# Altium PCB ECE453_Custom.PcbDoc (part 2 of 2)
Units mil, origin at the board's own origin, x right, y up, seen from the top; angles counter-clockwise.
Board outline 5757 x 4807.69 mil, 4 copper layers (Top Layer, Layer 1, Layer 2, Bottom Layer), stack 23.756 mil thick; 95 components, 55 nets, 302 pads, 170 vias.
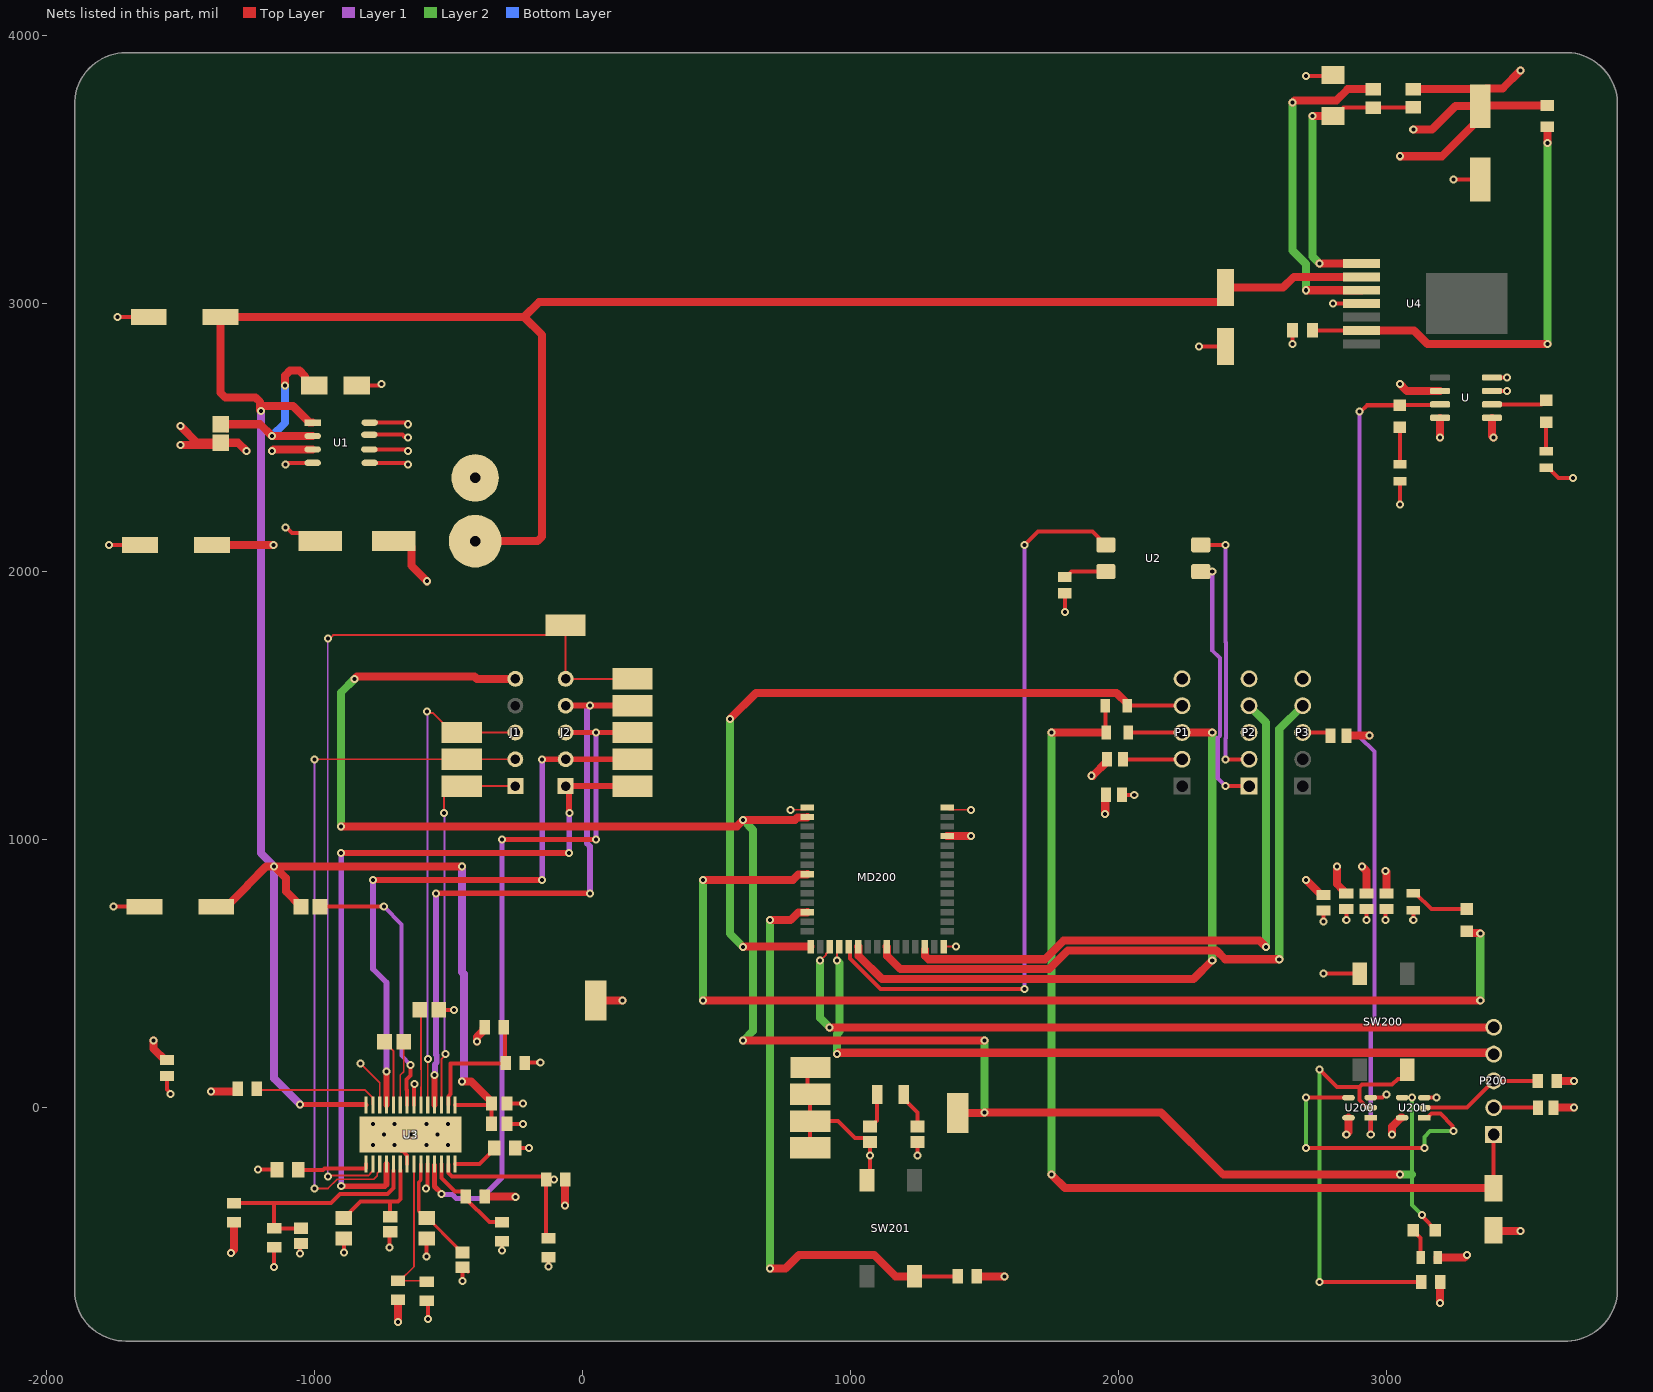
[diagram p4: the nets of this part, all layers, seen from the top]

## Part data (continued)
TP_AOUT1 TP_AOUT2 TP_BOUT1 TP_BOUT2 TP_DIR1 TP_GND1 TP_HOME1 TP_HOME2 TP_RST1 TP_STEP1 TP_VCC1: "PC Test Point, Miniature Phosphor Bronze, Silver Plating Surface Mount Mounting Type", Package="2010 Keystone", Digi-Key_Part_Number=36-5019CT-ND, Digi-Key_Purchase_URL=https://www.digikey.com/product-detail/en/keystone-electronics/5019/36-5019CT-ND/3907344?utm_source=snapeda&utm_medium=aggregator&utm_campaign=symbol, MF="Keystone Electronics", MP=5019, SnapEDA_Link=https://www.snapeda.com/parts/5019/Keystone%20Electronics/view-part/449144/?ref=snap
U: "Processor Supervisor 4.63V/2.88V 3.3V/5V 8-Pin SOIC N", Case/Package=SOIC, Manufacturer=Maxim, Max Operating Temperature=85°C, Max Reset Threshold Voltage=3.3V, Max Supply Current=50uA, Max Supply Voltage=5.5V, Min Operating Temperature=-40°C, Min Reset Threshold Voltage=2.5V, Min Supply Voltage=1.2V, Number of Voltages Monitored=2, Overvoltage Threshold=2.97V, Package="SOIC-8 Maxim", Package Quantity=100, Threshold Voltage=5V, Undervoltage Threshold=2.8V, Availability=Unavailable, Category="Voltage Supervisors", ComponentLink1Description=https://datasheet.ciiva.com/14180/07377369-14180038.pdf?src-supplier=Distrelec, ComponentLink1URL=https://datasheet.ciiva.com/14180/07377369-14180038.pdf?src-supplier=Distrelec, ComponentLink2Description=https://datasheet.ciiva.com/1974/ds1834-ds1834d-1974710.pdf?src-supplier=Digi-Key, ComponentLink2URL=https://datasheet.ciiva.com/1974/ds1834-ds1834d-1974710.pdf?src-supplier=Digi-Key, ComponentLink3Description=https://datasheet.ciiva.com/14206/ds1834-ds1834d-14206072.pdf?src-supplier=Avnet, ComponentLink3URL=https://datasheet.ciiva.com/14206/ds1834-ds1834d-14206072.pdf?src-supplier=Avnet, ComponentLink4Description=https://datasheet.ciiva.com/14562/70127780-14562733.pdf?src-supplier=Allied+Electronics, ComponentLink4URL=https://datasheet.ciiva.com/14562/70127780-14562733.pdf?src-supplier=Allied+Electronics, Height=1.5mm, Lead Free="Lead Free", Length=5mm, Manufacturer Part Number=DS1834S+, MF="Maxim Integrated", Mount="Surface Mount", MP=DS1834S+, Nominal Supply Current=50uA, Number of Pins=8, Operating Supply Current=50uA, Output=TOTEM-POLE, Packaging=Rail/Tube, Price=None, Pricing 1="1=2.97000, 10=2.67000, 25=2.52000, 50=2.35000, 100=2.18000, 250=2.07000, 500=1.86000 (USD)", Radiation Hardening=No, Reach SVHC Compliant=Unknown, Reset="Active Low", Reset Timeout=200ms, RoHS=Yes, RoHS Compliant=Yes, Series=EconoReset, SnapEDA_Link=https://www.snapeda.com/parts/DS1834S+/Maxim%20Integrated/view-part/1185071/?ref=snap, Stock 1=135, Supplier 1=Newark, Supplier 2=Digi-Key, Supplier 3=Digi-Key, Supplier Part Number 3=DS1834S+-ND, Supply Current=50uA, Type="Multi-Voltage Supervisor,Monitor", Watchdog Timer=No, Width=4mm
U1: "No Description Available", Mfr_Name="Diodes Inc", Copyright="Copyright (C) 2022 Ultra Librarian. All rights reserved.", Digi-Key_Part_Number_1=AP1509-33SGDICT-ND, Digi-Key_Part_Number_2=AP1509-33SGDIDKR-ND, Digi-Key_Part_Number_3=AP1509-33SGDITR-ND, Manufacturer_Part_Number=AP1509-33SG-13, RefDes=RefDes, Type=DEV
U2: "Relay Ssr 25MA 1.4V Dc-in 2A 40V Dc-out 4-PIN DIP T/r", Manufacturer=Toshiba, Package="SMD-4 Toshiba", Supplier Part Number 1=TLP241A(TP1FCT-ND, Availability=Bad, Category="Solid State Relays", Check_prices=https://www.snapeda.com/parts/TLP241A(TP1,F/Toshiba%20Semiconductor%20and%20Storage/view-part/1132983/?ref=eda, ComponentLink1Description=https://toshiba.semicon-storage.com/info/docget.jsp?did=14237&prodName=TLP241A&src-supplier=Digi-Key, ComponentLink1URL=https://toshiba.semicon-storage.com/info/docget.jsp?did=14237&prodName=TLP241A&src-supplier=Digi-Key, Manufacturer Part Number=TLP241A(TP1,F, MF="Toshiba Semiconductor", MP=TLP241A(TP1,F, Number of Pins=4, Price=None, Pricing 1="1=1.85000, 10=1.23200, 100=0.94800, 500=0.85696 (USD)", RoHS=Yes, RoHS Compliant=Yes, SnapEDA_Link=https://www.snapeda.com/parts/TLP241A(TP1,F/Toshiba%20Semiconductor%20and%20Storage/view-part/1132983/?ref=snap, Stock 1=11386, Supplier 1=Digi-Key
U3: "38-V, 1.9-A bipolar stepper motor driver with current regulation and 1/8 microstepping 28-HTSSOP -40 to 85", Package="HTSSOP-28 Texas Instruments", Availability=Good, Check_prices=https://www.snapeda.com/parts/DRV8811PWP/Texas%20Instruments/view-part/471965/?ref=eda, MF="Texas Instruments", MP=DRV8811PWP, Price=None, Purchase-URL=https://pricing.snapeda.com/search/part/DRV8811PWP/?ref=eda, SnapEDA_Link=https://www.snapeda.com/parts/DRV8811PWP/Texas%20Instruments/view-part/471965/?ref=snap
U4: library part CMP-0069-00312-2, "3A SIMPLE SWITCHER®, Step-Down Voltage Regulator with Adjustable Soft-Start and Current Limit, 7-pin TO-263 Thin, Pb-Free", Case/Package=TO-263, Frequency=500kHz, Manufacturer="National Semiconductor", Max Input Voltage=42V, Max Operating Temperature=125°C, Max Output Current=3A, Max Output Voltage=5V, Min Input Voltage=4.5V, Min Operating Temperature=-40°C, Min Supply Voltage=8V, Package Quantity=250, PackageTopMarking=NSUZXYTTE#*LM22673*TJ-5.0, PowerWise=N, Quiescent Current=3.4mA, Supplier Part Number 1=LM22673TJE-5.0/NOPBCT-ND, Category="Voltage Regulators - Switching", ComponentLink1Description="LM22673 Datasheet", ComponentLink1URL=http://www.national.com/ds/LM/LM22673.pdf, ComponentLink2Description="LM22673 Web Page", ComponentLink2URL=http://www.national.com/pf/LM/LM22673.html, ComponentLink3Description="TJ7A Package Page", ComponentLink3URL=http://www.national.com/packaging/folders/tj7a.html, ComponentLink4Description=https://datasheet.ciiva.com/7994/1808298-7994560.pdf?src-supplier=Element14, ComponentLink4URL=https://datasheet.ciiva.com/7994/1808298-7994560.pdf?src-supplier=Element14, ComponentLink5Description=https://datasheet.ciiva.com/25627/0900766b810fa302-25627441.pdf?src-supplier=RSComponents, ComponentLink5URL=https://datasheet.ciiva.com/25627/0900766b810fa302-25627441.pdf?src-supplier=RSComponents, ComponentLink6Description=https://datasheet.ciiva.com/6596/lm22673-6596911.pdf?src-supplier=Digi-Key, ComponentLink6URL=https://datasheet.ciiva.com/6596/lm22673-6596911.pdf?src-supplier=Digi-Key, ComponentLink7Description=https://datasheet.ciiva.com/6596/lm22673-6596909.pdf?src-supplier=Digi-Key, ComponentLink7URL=https://datasheet.ciiva.com/6596/lm22673-6596909.pdf?src-supplier=Digi-Key, ComponentLink8Description=https://datasheet.ciiva.com/3221/lm22673-3221549.pdf?src-supplier=Avnet, ComponentLink8URL=https://datasheet.ciiva.com/3221/lm22673-3221549.pdf?src-supplier=Avnet, CompType=Switcher, Contact Plating=Tin, DatasheetVersion=Nov-2008, Efficiency=90%, Height=2mm, Lead Free="Lead Free", Length=10.16mm, Manufacturer Part Number=LM22673TJE-5.0/NOPB, Max Supply Voltage=42V, Mount="Surface Mount", Nominal Output Voltage=5V, Number of Outputs=1, Number of Pins=7, Output Current=3A, Output Type=Fixed, Output Voltage=5V, PackageDescription="Thin TO-263, Molded, 9.85 x 10.16 x 2mm Body, 7 Lead, 1.27mm Pitch, Surface Mount", PackageReference=TJ7A, PackageVersion="revC, Jan-2008", Packaging="Tape and Reel", PinCount=7, Pricing 1="1=6.04000, 10=5.42100, 25=5.12520, 100=4.44200 (USD)", Radiation Hardening=No, Reach SVHC Compliant="No SVHC", RevisionNote="Component URLs added", RoHS=Y, RoHS Compliant=Yes, Series="SIMPLE SWITCHER®", Stock 1=248, Supplier 1=Digi-Key, Switching Frequency=500kHz, Synchronous Rectifier=No, Termination=SMD/SMT, Weight=0.01lb, Width=9.85mm
U200 U201: library part CMP-04903-000082-1, "IC GATE AND 1CH 2-INP SOT23-5", Manufacturer 1="Texas Instruments", Supplier Part Number 1=296-SN74AHC1G08DBV3CT-ND, Category="Logic Gates", ComponentLink1Description=http://www.ti.com/general/docs/suppproductinfo.tsp?distId=10&amp;gotoUrl=http%3A%2F%2Fwww.ti.com%2Flit%2Fgpn%2Fsn74ahc1g08&src-supplier=Digi-Key, ComponentLink1URL=http://www.ti.com/general/docs/suppproductinfo.tsp?distId=10&amp;gotoUrl=http%3A%2F%2Fwww.ti.com%2Flit%2Fgpn%2Fsn74ahc1g08&src-supplier=Digi-Key, Logic Function="AND GATE", Manufacturer Part Number 1=SN74AHC1G08DBV3, Pricing 1="1=0.53000, 10=0.42800, 25=0.39200, 100=0.29170, 250=0.26436, 500=0.21878, 1000=0.16409 (USD)", RoHS=Yes, RoHS Compliant=Yes, Stock 1=11940, Supplier 1=Digi-Key
Y200: library part CMP-2000-07587-2, "CRYSTAL 32.7680KHZ 6PF SMD", Case/Package=SMD/SMT, ESR (Equivalent Series Resistance)=55kR, Frequency=32.768kHz, Frequency Tolerance=20ppm, Load Capacitance=6pF, Manufacturer 1=Abracon, Manufacturer Part Number 1=ABS07-120-32.768KHZ-T, Max Operating Temperature=85°C, Min Operating Temperature=-40°C, Operating Frequency="32.768 kHz", Package Quantity=3000, Series Resistance=60kR, Supplier Part Number 1=535-11937-1-ND, Category=Crystals, ComponentLink1Description=https://datasheet.ciiva.com/6728/abs07-120-32-768khz-t-6728893.pdf?src-supplier=Digi-Key, ComponentLink1URL=https://datasheet.ciiva.com/6728/abs07-120-32-768khz-t-6728893.pdf?src-supplier=Digi-Key, ComponentLink2Description=https://datasheet.ciiva.com/12387/abs07-120-32-768khz-t-218607-12387629.pdf?src-supplier=Mouser, ComponentLink2URL=https://datasheet.ciiva.com/12387/abs07-120-32-768khz-t-218607-12387629.pdf?src-supplier=Mouser, ComponentLink3Description=https://datasheet.ciiva.com/15214/getdatasheetpartid-722402-15214953.pdf?src-supplier=Verical, ComponentLink3URL=https://datasheet.ciiva.com/15214/getdatasheetpartid-722402-15214953.pdf?src-supplier=Verical, Depth=1.5mm, Height=0.035inch, Lead Free="Lead Free", Length=3.2mm, Mount="Surface Mount", Number of Pins=2, Packaging="Tape and Reel", Pricing 1="1=1.20000, 10=1.15000, 50=1.12340, 100=0.96290, 500=0.93616, 1000=0.78905 (USD)", Radiation Hardening=No, REACH SVHC="No SVHC", RoHS=Yes, RoHS Compliant=Yes, Series=ABS07, Stock 1=273340, Supplier 1=Digi-Key, Termination=SMD/SMT, Tolerance=20ppm, Width=0.061inch

## Via types
v1: diameter 30, hole 15, Top Layer to Bottom Layer, 170 vias

## Nets (pads, with @x,y where several pads share a name; then routed paths per layer and width w, separated by ;. In a path a pad name is that pad's centre, name@x,y a point inside that pad or via, vN(x,y) a via of type N, cw(c..) or ccw(c..) an arc to the next point about the centre after c; other vN are vias at no path point)
3.3V: C10.2 C12.1 C13.1 C14.1 C15.1 C19.1 C200.1 C201.1 C202.1 C203.1 Co1.1 D200.1 L1.2 MD200.4 P1.5 R7.2 R13.2 R14.2 R15.2 R16.2 R17.2 R200.2 R201.2 R203.2 R204.2 TP_VCC1.1 U1.3 U3.10 U200.5 U201.5 U.6 U.8 | length 3734.1
  Top Layer w15: L1.2@-1358.53,2472.5 L1.2@-1350,2481.03 ; v1(-582.75,-301.03) -582.75,-296.97 -577.17,-291.39 U3.10@-577.17,-210.24 ; R14.2@-376.75,-312.56 -364.57,-324.75 R14.2@-364.57,-331.64 ; TP_VCC1.1@50,365.16 TP_VCC1.1@50,400 ; R204.2@3629.53,94.09 R204.2@3635.43,100
  Top Layer w30: v1(-1600,250) -1600,219.99 -1557.87,177.87 C15.1@-1550,177.87 ; v1(-1500,2472.5) L1.2@-1358.53,2472.5 ; v1(-1500,2543.58) -1437.45,2481.03 L1.2@-1350,2481.03 -1284.57,2481.03 v1(-1253.54,2450) ; v1(-1385.43,60.4) -1290.12,60.4 -1285.43,65.08 R16.2@-1285.43,70.63 ; Co1.1@-1382,2100 v1(-1152.79,2100) ; v1(-1311.4,-541.34) -1300,-529.94 R7.2@-1300,-426.77 ; v1(-1158.32,2450.5) -1152.79,2456.03 U1.3@-1006.3,2456.03 ; C10.2@-756.79,2091.38 -734.39,2113.78 C10.2@-704.19,2113.78 -659.9,2113.78 -637.5,2091.38 -637.5,2022.27 v1(-579.5,1964.27) ; v1(-688.41,-800) R15.2@-688.41,-716.67 ; v1(-393.57,246.21) -393.57,263.71 -368.86,288.43 -368.86,295.31 R17.2@-364.17,300 ; R14.2@-364.57,-331.64 -251.46,-331.64 v1(-250,-333.1) ; v1(-64.57,-364.57) R13.2@-64.57,-268.18 ; TP_VCC1.1@50,400 v1(150,400) ; MD200.4@1360.59,1013.78 v1(1450,1013.78) ; R203.2@1470.87,-629.13 v1(1575,-629.13) ; v1(1900,1238.5) 1904.28,1238.5 1957.91,1292.13 C14.1@1957.91,1300 C14.1@1956.18,1298.27 ; v1(1950,1096.12) 1950.75,1096.87 1950.75,1164.35 C12.1@1954.45,1168.05 C12.1@1956.18,1169.78 ; v1(2700,850) 2700.78,850 2756.75,794.03 C203.1@2764.62,794.03 ; v1(2814.63,900) 2814.63,835.37 2838.43,811.57 2838.43,803.7 2842.13,800 C201.1@2850,800 ; v1(2850.03,-100) 2858.64,-91.38 U200.5@2858.64,-37.4 ; C13.1@2850.03,1387.89 v1(2936.96,1387.86) ; v1(2908.79,900) 2925.38,883.4 C200.1@2925.38,800 C200.1@2933.26,800 ; v1(2995.94,883.4) 3000,879.35 C202.1@3000,800 ; v1(3021.33,-100) 3021.33,-70.52 3054.44,-37.4 U201.5@3058.64,-37.4 ; v1(3050,2700) 3075.83,2674.17 U.6@3200,2674.17 ; R200.2@3190.55,-567.66 R200.2@3190.55,-558.8 3291.2,-558.8 v1(3300,-550) ; v1(3200,-727.98) R201.2@3200,-650 ; v1(3200,2500) U.8@3200,2574.17 ; D200.1@3400,-457.48 3401.97,-459.45 v1(3500,-459.45) ; C19.1@3623.62,0 v1(3700,0) ; R204.2@3635.43,100 v1(3700,100)
3.3V_OUT: D1.1 L1.1 U1.2 | length 789.5
  Top Layer w15: L1.1@-1350,2550 L1.1@-1326.9,2526.9
  Top Layer w30: L1.1@-1350,2550 -1202.29,2550 v1(-1158.32,2506.03) U1.2@-1006.3,2506.03 ; v1(-1108.82,2694.26) -1108.82,2731.75 -1090.57,2750 -1055.74,2750 -1034.21,2728.47 -1034.21,2712.72 -1015.75,2694.26 D1.1@-1000,2694.26
  Bottom Layer w30: v1(-1158.32,2506.03) -1108.82,2555.53 v1(-1108.82,2694.26)
3V_PWR_GOOD: 2.2 U200.1 U.7 | length 3125.4
  Top Layer w15: v1(2900,2598.13) 2904.06,2598.13 2926.8,2620.87 2.2@3050,2620.87 3051.65,2622.52 3198.35,2622.52 U.7@3200,2624.17 U.7@3174.41,2624.17 ; v1(2941.36,-100) U200.1@2941.36,-37.4
  Layer 1 w15: v1(2900,2598.13) 2900,1383.1 2954.88,1328.22 2954.88,314.9 2941.36,301.38 v1(2941.36,-100)
5V: C18.2 L2.2 P2.5 P3.5 R23.1 U.1 | length 1510.9
  Top Layer w15: P2.5@2485.05,1602.39 P2.5@2487.44,1600
  Top Layer w30: v1(3050,3550) 3207.48,3550 3350,3692.52 C18.2@3350,3736.81 ; v1(3100,3650) 3170.39,3650 3257.2,3736.81 C18.2@3350,3736.81 ; L2.2@3100,3800 3327.6,3800 C18.2@3350,3777.6 ; U.1@3393.31,2574.17 3393.31,2506.69 v1(3400,2500) ; v1(3500,3869.58) 3433.92,3803.5 3372.4,3803.5 3350,3781.1 C18.2@3350,3777.6 ; R23.1@3600,3739.37 3352.56,3739.37 C18.2@3350,3736.81 ; C18.2@3350,3736.81 C18.2@3350,3777.6
12_VOLTS: C1.1 C3.1 C5.1 C6.1 C17.2 Cin1.1 J3.1 U1.1 U3.15 U3.28 U4.2 | length 11378.4
  Top Layer w15: U3.15@-474.8,10.24 -344.93,10.24 C3.1@-339.16,16 C1.1@-339.16,-60.24
  Top Layer w19: v1(-1052.95,11.62) -808.87,11.62 U3.28@-807.48,10.24
  Top Layer w30: C5.1@-1366,750 -1328.5,750 -1247,831.5 -1247,833 -1180,900 v1(-1150,900) ; v1(-1200,2600) -1202.29,2602.29 -1202.29,2632.43 -1219.86,2650 -1332.43,2650 -1350,2667.57 Cin1.1@-1350,2950 -217.57,2950 ; -1200,2617.57 -1080.16,2617.57 -1018.62,2556.03 U1.1@-1006.3,2556.03 ; C6.1@-1050,750 -1050,751.07 -1106.36,807.43 -1106.36,856.36 v1(-1150,900) ; v1(-450,97.42) -414.65,97.42 -339.16,21.94 C3.1@-339.16,16 ; v1(-450,900) v1(-1150,900) ; J3.1@-400,2113.78 -167.57,2113.78 -150,2131.35 -150,2882.43 -217.57,2950 ; U4.2@2906.3,3100 2654.33,3100 2614.57,3060.24 C17.2@2400,3060.24 2400,3022.83 2383.5,3006.34 -161.24,3006.34 -217.57,2950
  Layer 1 w30: v1(-1200,2600) -1200,950 v1(-1150,900) -1150,108.67 v1(-1052.95,11.62) ; v1(-450,97.42) -442.5,104.92 -442.5,498.71 -450,506.21 v1(-450,900)
AOUT1: J2.1 TP_AOUT1.1 U3.4 | length 2846.9
  Top Layer w20: v1(-899.78,-292.64) -737.33,-292.64 -730.62,-285.92
  Top Layer w22: v1(-900,950) v1(-50,950) ; U3.4@-730.71,-210.24 -730.62,-210.33 -730.62,-285.92 ; v1(-48.46,1100) -50,1101.53 -50,1187.43 J2.1@-62.56,1200 TP_AOUT1.1@187.44,1200
  Layer 1 w22: v1(-900,950) -899.89,949.89 -899.89,-292.53 v1(-899.78,-292.64) ; v1(-50,950) -49.23,950.77 -49.23,1099.23 v1(-48.46,1100)
AOUT2: J2.2 TP_AOUT2.1 U3.25 | length 2279.2
  Top Layer w22: v1(-781.14,850) v1(-150,850) ; U3.25@-730.71,10.24 v1(-730.71,134.8) ; v1(-150,1300) TP_AOUT2.1@187.44,1300
  Layer 1 w22: v1(-781.14,850) -781.14,517.62 -730.71,467.18 v1(-730.71,134.8) ; v1(-150,850) v1(-150,1300)
BOUT1: J2.3 TP_BOUT1.1 U3.11 | length 2644.9
  Top Layer w19: U3.11@-551.57,-213.25 -551.57,-293.57 -525.98,-319.16 v1(-525.98,-322.14) ; v1(-300,1000) v1(50,1000) ; J2.3@-62.56,1400 v1(50,1400) TP_BOUT1.1@187.44,1400
  Layer 1 w19: v1(-525.98,-322.14) -523.88,-324.24 -485.04,-324.24 -470.76,-338.52 -378.4,-338.52 -300,-260.13 v1(-300,1000) ; v1(50,1000) v1(50,1400)
BOUT2: J2.4 TP_BOUT2.1 U3.18 | length 2326.5
  Top Layer w22: U3.18@-551.57,10.24 v1(-551.57,121.96) ; v1(-545.52,800) v1(28,800) ; J2.4@-62.56,1500 v1(28,1500) TP_BOUT2.1@187.44,1500
  Layer 1 w22: v1(-551.57,121.96) -550.04,123.49 -550.04,161.9 -543.53,168.41 -543.53,195.75 -545.52,197.73 v1(-545.52,800) ; v1(28,800) 28,975.33 17,986.33 17,1486.84 28,1497.84 v1(28,1500)
DIR: J1.2 TP_DIR1.1 U3.3 | length 2652.4
  Top Layer w7: v1(-1000,-301.03) -949.23,-301.03 -915.34,-267.14 -779.02,-267.14 -765.48,-253.6 -765.48,-245.01 -756.3,-235.83 U3.3@-756.3,-210.24 ; v1(-1000,1300) TP_DIR1.1@-450,1300 J1.2@-250,1300
  Layer 1 w7: v1(-1000,-301.03) v1(-1000,1300)
FIRING_SIGNAL: MD200.25 U2.1 | length 2746
  Top Layer w15: MD200.25@993.7,600.83 998.21,596.32 998.21,557.35 1112.73,442.83 v1(1650,442.83) ; v1(1650,2100) 1700,2150 1902.83,2150 U2.1@1952.83,2100
  Layer 1 w15: v1(1650,442.83) v1(1650,2100)
FiringSig1: P2.1 U2.3 | length 958.4
  Top Layer w15: U2.3@2307.17,2000 v1(2350,2000) ; v1(2400,1200) P2.1@2487.44,1200
  Layer 1 w15: v1(2350,2000) 2350,1706.61 2379.5,1677.11 2379.5,1387.78 2370.5,1378.78 2370.5,1229.5 v1(2400,1200)
FiringSig2: P2.2 U2.4 | length 981.5
  Top Layer w15: U2.4@2307.17,2100 v1(2400,2100) ; v1(2400,1300) P2.2@2487.44,1300
  Layer 1 w15: v1(2400,1300) 2400,1377.17 2401.5,1378.67 2401.5,1735.12 2400,1736.62 v1(2400,2100)
GND: C1.2 C2.2 C3.2 C5.2 C7.2 C8.2 C9.2 C10.1 C12.2 C13.2 C14.2 C15.2 C17.1 C18.1 C19.2 C200.2 C201.2 C202.2 C203.2 C204.1 C205.1 Cin1.2 Co1.2 D1.2 D2.2 J3.2 MD200.1 MD200.15 MD200.43 P1.2 P2.3 P3.3 P200.2 R1.2 R8.1 R9.1 R10.1 R11.1 R12.1 R18.1 R19.1 R20.1 R21.1 R22.2 R24.1 R25.1 R202.1 SW200.3 SW201.3 TP201.1 TP202.1 TP203.1 TP_GND1.1 U1.4 U1.5 U1.6 U1.7 U1.8 U3.7 U3.21 U3.26 U3.29 U4.4 U200.3 U201.3 U.3 U.4 | length 5435.9
  Top Layer w7: v1(-828.41,165.12) -756.3,93 U3.26@-756.3,10.24 ; v1(777.19,1110.28) 778.48,1111.57 830.9,1111.57 MD200.43@839.41,1120.08 ; MD200.15@1348.43,600.83 v1(1394.7,600.83) ; MD200.1@1360.59,1120.08 1369.1,1111.57 1448.71,1111.57 v1(1450,1110.28)
  Top Layer w15: v1(-1766,2100) Co1.2@-1650,2100 ; v1(-1750.13,750) C5.2@-1634,750 ; v1(-1734,2950) Cin1.2@-1618,2950 ; C15.2@-1550,118.81 -1550,67.96 -1537.2,55.17 v1(-1537.2,51.11) ; v1(-1210.63,-230.66) -1139.7,-230.66 R9.1@-1139.37,-230.99 ; v1(-1150,-594.09) R8.1@-1150,-520.87 ; v1(-1107.83,2164.27) -1103.77,2164.27 -1083.18,2143.68 -1007.71,2143.68 C10.1@-977.81,2113.78 ; v1(-1107.83,2400) -1103.77,2400 -1097.74,2406.03 U1.4@-1006.3,2406.03 ; C2.2@-1055.94,-507.15 C2.2@-1050,-507.15 -1052.95,-510.1 v1(-1052.95,-544.43) ; v1(-890.03,-540.23) R12.1@-890.03,-488.39 ; D1.2@-842.52,2694.26 -759.8,2694.26 -754.06,2700 v1(-750,2700) ; U1.6@-795,2456.03 -660.09,2456.03 -654.06,2450 v1(-650,2450) ; U1.5@-793.7,2406.03 -660.09,2406.03 -654.06,2400 v1(-650,2400) ; U1.8@-793.7,2556.03 -660.09,2556.03 -654.06,2550 v1(-650,2550) ; U1.7@-787.03,2511.03 -671.29,2511.03 -663.12,2502.87 -652.87,2502.87 v1(-650,2500) ; v1(-720.56,-522.04) -720.56,-466.05 C9.2@-717.23,-462.72 ; U3.29@-701.14,-140 -697.08,-140 -674.96,-162.13 -669.73,-162.13 -653.94,-177.92 U3.7@-653.94,-210.24 ; U3.21@-628.35,10.24 -627.66,10.92 -627.66,87.34 v1(-626.98,88.02) ; R20.1@-581.14,-720.87 -576.53,-725.47 v1(-576.53,-788.91) ; v1(-581.14,-554.47) R11.1@-581.14,-488.39 R11.1@-565.06,-504.47 ; C7.2@-535.91,365.16 v1(-479.5,365.16) ; v1(-447.62,-645.8) C8.2@-447.62,-595.8 -442.67,-595.8 C8.2@-427.37,-611.09 ; v1(-300,-532.56) R19.1@-300,-497.85 ; C1.2@-282.02,-60.24 v1(-221.78,-60.24) ; C3.2@-282.02,16 v1(-221.78,16) ; R10.1@-250,-150 v1(-200,-150) ; R21.1@-214.57,166.96 -213.61,167.92 v1(-157.21,167.92) ; v1(-126.35,-592.19) R18.1@-126.35,-557.48 R18.1@-123.56,-560.26 ; TP_GND1.1@839.41,150 839.41,60.59 TP203.1@850,50 TP202.1@850,-50 ; TP201.1@850,-150 TP202.1@850,-50 ; SW201.3@1061.42,-270.87 1072.83,-259.45 v1(1072.83,-179.13) C204.1@1072.83,-127.56 1057.7,-112.42 1016.74,-112.42 954.32,-50 TP202.1@850,-50 ; v1@1250,-183.19 v1(1250,-179.13) C205.1@1250,-127.56 ; v1(1800,1850) R22.2@1800,1919.46 ; C12.2@2013.5,1168.05 2014.27,1167.28 v1(2058.99,1167.28) ; C14.2@2016.96,1300 P1.2@2237.44,1300 ; v1(2300,2839.76) C17.1@2400,2839.76 C17.1@2400,2810.24 ; v1(2650,2850) R1.2@2650,2900 ; P3.3@2687.44,1400 2779.77,1400 2790.97,1388.8 C13.2@2790.97,1387.89 ; v1(2700,3850) 2800,3850 D2.2@2800,3852.5 ; v1(2764.62,500) SW200.3@2900,500 ; v1(2764.62,694.03) C203.2@2764.62,734.97 ; v1(2800,3000) U4.4@2906.3,3000 ; v1(2850.03,700) C201.2@2850.03,740.92 ; v1(2925.38,700) C200.2@2925.38,740.94 ; U200.3@2941.36,37.4 2942.5,38.54 2984.48,38.54 2995.94,50 v1(3000,50) ; v1(2995.94,700) 2995.94,736.89 C202.2@3000,740.94 ; v1(3050,2250) R25.1@3050,2337.01 ; v1(3100,700) R202.1@3100,737.01 ; U201.3@3141.36,37.4 v1(3187.01,37.4) ; v1(3250,3463.78) 3349.41,3463.78 C18.1@3350,3463.19 ; U.3@3393.31,2674.17 v1(3450,2674.17) ; U.4@3393.31,2724.17 v1(3450,2724.17) ; P200.2@3400,0 C19.2@3564.57,0 ; R24.1@3595.87,2387.01 3604.72,2387.01 3641.73,2350 v1(3695.87,2350)
HOME: J2.5 TP_HOME1.1 TP_HOME2.1 U3.2 | length 3567.8
  Top Layer w7: v1(-950,-256.72) -946.42,-253.14 -798.13,-253.14 -791.07,-246.08 -791.07,-245.01 -781.89,-235.83 U3.2@-781.89,-210.24 ; v1(-950,1750) -943.78,1750 -930.24,1763.54 -99.02,1763.54 TP_HOME1.1@-62.56,1800 J2.5@-62.56,1600 TP_HOME2.1@187.44,1600
  Layer 1 w7: v1(-950,-256.72) v1(-950,1750)
ISENA: R9.2 U3.1 | length 272.1
  Top Layer w15: R9.2@-1060.63,-230.99 -1058.98,-232.64 -967.64,-232.64 -962.22,-227.22 -809.07,-227.22 -807.48,-225.62 U3.1@-807.48,-210.24
ISENB: R10.2 U3.14 | length 173.9
  Top Layer w15: U3.14@-474.8,-210.24 -384.06,-210.24 -328.74,-154.92 R10.2@-328.74,-150
Net1_1: 1.1 R24.2 | length 106.8
  Top Layer w15: R24.2@3595.87,2450 1.1@3595.87,2556.79
Net1_2: 1.2 U.2 | length 208.9
  Top Layer w15: U.2@3393.31,2624.17 3578.61,2624.17 3593.9,2639.47 1.2@3595.87,2639.47
Net2_1: 2.1 R25.2 | length 138.2
  Top Layer w15: R25.2@3050,2400 2.1@3050,2538.19
Net_FB: R1.1 R23.2 U4.6 | length 1707.3
  Top Layer w15: R1.1@2724.02,2900 U4.6@2906.3,2900
  Top Layer w30: U4.6@2906.3,2900 3103.14,2900 3153.14,2850 v1(3600,2850) ; v1(3600,3600) R23.2@3600,3660.63
  Layer 2 w30: v1(3600,2850) v1(3600,3600)
Net_Sig: R22.1 U2.2 | length 160.9
  Top Layer w15: R22.1@1800,1980.54 1806.05,1980.54 1825.51,2000 U2.2@1952.83,2000
NetC16_1: C16.1 U4.3 | length 1247.7
  Top Layer w30: v1(2650,3750) 2657.57,3757.57 2812.94,3757.57 2855.36,3800 C16.1@2950,3800 ; v1(2700,3050) U4.3@2906.3,3050
  Layer 2 w30: v1(2650,3750) 2650,3197.67 2700,3147.67 v1(2700,3050)
NetC16_2: C16.2 D2.1 L2.1 U4.1 | length 1106.4
  Top Layer w15: D2.1@2800,3700 2809.25,3700 2840.35,3731.1 C16.2@2950,3731.1 3098.82,3731.1 L2.1@3100,3732.28
  Top Layer w30: v1(2724.02,3700) D2.1@2800,3700 ; v1(2750,3150) U4.1@2906.3,3150
  Layer 2 w30: v1(2724.02,3700) 2724.02,3175.98 v1(2750,3150)
NetCP1: C4.1 U3.23 | length 241.3
  Top Layer w7: U3.23@-679.53,10.24 -679.53,121.96 -666.69,134.8 C4.1@-666.69,246.21
NetCP2: C4.2 U3.24 | length 249.5
  Top Layer w7: C4.2@-737.73,246.21 -737.73,245.14 -705.12,212.53 U3.24@-705.12,10.24
NetDECAY: C2.1 R7.1 R8.2 U3.5 | length 870.9
  Top Layer w15: R7.1@-1300,-355.91 -1150,-355.91 -1142.87,-355.91 -938.54,-355.91 -904.78,-322.14 -727.12,-322.14 -705.12,-300.14 U3.5@-705.12,-234.23 ; -1150,-363.03 R8.2@-1150,-450 C2.1@-1050,-450
NetVGD: C7.1 U3.20 | length 357.7
  Top Layer w7: C7.1@-606.95,365.16 -602.76,360.96 -602.76,144.02 -601.48,142.75 -601.48,77.46 -602.76,76.19 U3.20@-602.76,10.24
NetVMVPC: C6.2 U3.22 | length 1026.4
  Top Layer w15: C6.2@-978.96,750 v1(-741.14,750) ; U3.22@-653.94,10.24 -653.94,65.97 -656.48,68.51 -656.48,104.6 -641.14,119.93 v1(-641.14,160.08)
  Layer 1 w15: v1(-741.14,750) -674.96,683.81 -674.96,193.89 v1(-641.14,160.08)
P0_0: C204.2 Y200.1 | length 134
  Top Layer w15: C204.2@1072.83,-70.47 1076.77,-70.47 1100,-47.24 Y200.1@1100,50
P0_1: C205.2 Y200.2 | length 141.8
  Top Layer w15: Y200.2@1198.43,50 1198.43,34.25 1250,-17.32 C205.2@1250,-70.47
P6_4: MD200.24 P1.3 R6.1 | length 2582.1
  Top Layer w15: R6.1@2037.12,1400 P1.3@2237.44,1400
  Top Layer w30: MD200.24@1029.13,600.83 1030.56,599.4 1030.56,566.71 1117.45,479.83 2279.83,479.83 v1(2350,550) ; P1.3@2237.44,1400 v1(2350,1400)
  Layer 2 w30: v1(2350,550) v1(2350,1400)
P6_5: MD200.29 P1.4 R5.1 | length 2874.8
  Top Layer w15: R5.1@2032.68,1500 P1.4@2237.44,1500
  Top Layer w30: v1(550,1450) 647.59,1547.59 1992.96,1547.59 2032.68,1507.87 R5.1@2032.68,1500 ; v1(600,600) 600.83,600.83 MD200.29@851.57,600.83
  Layer 2 w30: v1(550,1450) 550,650 v1(600,600)
PB_IN: MD200.32 R203.1 SW201.2 | length 2205.1
  Top Layer w15: SW201.2@1238.58,-629.13 R203.1@1400,-629.13
  Top Layer w30: v1(700,-600) 758.27,-600 808.27,-550 1088.89,-550 1168.03,-629.13 SW201.2@1238.58,-629.13 ; v1(700,700) 777.19,700 805.3,728.1 837.98,728.1 MD200.32@839.41,729.53
  Layer 2 w30: v1(700,-600) v1(700,700)
PRG_RESET_N: P200.3 R204.1 U201.2 | length 464.6
  Top Layer w15: U201.2@3141.36,0 3300,0 P200.3@3400,100 R204.1@3564.57,100
PWM_SERVO1: MD200.17 P2.4 | length 2265.4
  Top Layer w30: MD200.17@1278.98,590.83 1278.98,566.71 1291.87,553.83 1725.62,553.83 1795.8,624 2526,624 v1(2550,600)
  Layer 2 w30: P2.4@2487.44,1500 2550,1437.44 v1(2550,600)
PWM_SERVO2: MD200.21 P3.4 | length 2543.7
  Top Layer w30: MD200.21@1135.43,600.83 1136.86,599.4 1136.86,566.71 1186.75,516.83 1740.95,516.83 1811.12,587 2365.33,587 2398.5,553.83 v1(2600,553.83)
  Layer 2 w30: v1(2600,553.83) 2600,1412.56 P3.4@2687.44,1500
RCA: C9.1 R12.2 U3.6 | length 398.2
  Top Layer w15: R12.2@-890.03,-411.61 -828.41,-350 -717.23,-350 -688,-350 -679.21,-341.21 U3.6@-679.21,-234.23 ; C9.1@-717.23,-407.15 -717.23,-355.91
RCB: C8.1 R11.2 U3.9 | length 408.4
  Top Layer w12: U3.9@-602.76,-210.24 -602.76,-270.18 -610.75,-278.18 -610.75,-385.94 -585.08,-411.61 -577.2,-411.61 -468.32,-520.5 -468.32,-524.48 -452.57,-540.23 C8.1@-447.62,-540.23
RESET1: U200.4 U201.1 | length 1100.8
  Top Layer w15: v1(2700,-150) v1(3141.36,-150) ; v1(2700,38.72) 2700.66,38.06 2857.99,38.06 U200.4@2858.64,37.4 ; U201.1@3141.36,-37.4 3154.61,-37.4 3157.58,-34.43 3157.58,-32.35 3167.93,-22 3200.76,-22 3247.13,-68.37 3247.13,-84.51 v1(3250,-87.38)
  Layer 2 w15: v1(2700,-150) v1(2700,38.72) ; v1(3141.36,-150) 3141.56,-149.8 3141.56,-108.44 3162.62,-87.38 v1(3250,-87.38)
RESET_N: R201.1 SW200.2 U200.2 | length 1661.6
  Top Layer w15: v1(2750,-650) R201.1@3129.13,-650 ; v1(2750,141.73) 2814.63,77.11 2900,77.11 ; U200.2@2941.36,0 2928.11,0 2900,28.11 2900,77.11 ; SW200.2@3077.17,141.73 3077.17,127.95 3057.11,107.89 3043.33,107.89 3021.33,85.89 2908.79,85.89 2900,77.11
  Layer 2 w15: v1(2750,-650) v1(2750,141.73)
RESETN: J1.1 TP_RST1.1 U3.17 | length 1442.8
  Top Layer w7: U3.17@-525.98,10.24 -525.98,181.31 -510.86,196.44 v1(-510.86,200.38) ; v1(-516.02,1100) -516.02,1163.54 -479.56,1200 TP_RST1.1@-450,1200 J1.1@-250,1200
  Layer 1 w7: v1(-516.02,1100) -514.77,1098.75 -514.77,204.29 v1(-510.86,200.38)
SLEEPN: R16.1 U3.27 | length 471.4
  Top Layer w7: R16.1@-1214.57,65.97 -810.96,65.97 -784.3,39.3 -784.3,12.64 U3.27@-781.89,10.24
SRN: R17.1 R21.2 U3.16 | length 499.2
  Top Layer w15: U3.16@-498.8,11.83 -498.8,41.98 -495.21,45.57 -495.21,47.74 -492.12,50.83 -492.12,165.12 -491.72,165.51 R21.2@-285.43,165.51 ; R17.1@-293.31,300 -289.37,296.06 -289.37,170.9 R21.2@-285.43,166.96
STEP: J1.3 TP_STEP1.1 U3.19 | length 1830.6
  Top Layer w7: v1(-579.5,1477.57) -575.1,1473.17 -558.01,1473.17 -484.84,1400 TP_STEP1.1@-450,1400 J1.3@-250,1400 ; U3.19@-577.17,10.24 -576.85,10.55 -576.85,85.27 -577.07,85.49 -577.07,132.52 -576.85,132.75 -576.85,181.76 v1(-576.53,182.08)
  Layer 1 w7: v1(-579.5,1477.57) -578.02,1476.09 -578.02,183.56 v1(-576.53,182.08)
SWDCLK: MD200.26 P200.4 | length 2866.1
  Top Layer w7: v1(950,550) 950,579.96 957.87,587.83 MD200.26@957.87,600.83
  Top Layer w30: v1(950,200) 955.07,205.07 3394.93,205.07 P200.4@3400,200
  Layer 2 w30: v1(950,200) 950,275.23 959.44,284.67 959.44,540.56 v1(950,550)
SWDIO: MD200.27 P200.5 | length 2808.3
  Top Layer w7: v1(887.01,550) 888.04,550 909.52,571.48 909.52,574.91 922.44,587.83 MD200.27@922.44,600.83
  Top Layer w30: v1(922.44,300) P200.5@3400,300
  Layer 2 w30: v1(887.01,550) 887.01,335.43 v1(922.44,300)
usm0: R13.1 R18.2 U3.13 | length 657
  Top Layer w15: U3.13@-498.8,-211.83 -498.8,-244.15 -486.71,-256.23 -147.38,-256.23 R13.1@-135.43,-268.18 ; R18.2@-126.35,-486.61 -135.43,-477.53 R13.1@-135.43,-268.18 ; v1(-106.25,-268.18) R13.1@-135.43,-268.18
usm1: R14.1 R19.2 U3.12 | length 347.7
  Top Layer w15: U3.12@-525.98,-210.24 -525.98,-262.7 -476.13,-312.56 -447.62,-312.56 -435.43,-324.75 R14.1@-435.43,-331.64 ; R14.1@-435.43,-338.52 -346.97,-426.99 R19.2@-300,-426.99
USR_LED: LED201.2 MD200.36 | length 4052
  Top Layer w30: v1(450,400) v1(3350,400) ; v1(450,850) 785.07,850 805.3,870.23 837.98,870.23 MD200.36@839.41,871.65 ; LED201.2@3300,658.66 3306.65,652.01 3347.99,652.01 v1(3350,650)
  Layer 2 w30: v1(450,400) v1(450,850) ; v1(3350,400) v1(3350,650)
USR_LED_R: LED201.1 R202.2 | length 224.3
  Top Layer w15: R202.2@3100,800 3108.86,800 3167.52,741.34 LED201.1@3300,741.34
VREF: R15.1 R20.2 U3.8 | length 566.6
  Top Layer w7: R15.1@-688.41,-645.8 R15.1@-681.52,-645.8 ; U3.8@-628.35,-210.24 -628.35,-592.62 R15.1@-681.52,-645.8 ; R20.2@-581.14,-650 -585.34,-645.8 R15.1@-681.52,-645.8
VTARG: D200.2 P200.1 R5.2 R6.2 | length 3823.6
  Top Layer w15: R5.2@1950,1500 1952.22,1497.78 R6.2@1952.22,1402.22 ; D200.2@3400,-300 P200.1@3400,-100
  Top Layer w30: v1(1750,-250) 1800,-300 D200.2@3400,-300 ; v1(1750,1400) 1951.73,1400 1952.22,1400.49 R6.2@1952.22,1402.22
  Layer 2 w30: v1(1750,-250) v1(1750,1400)
XRES_N: J1.5 LED200.1 MD200.42 TP200.1 U201.4 | length 7316.3
  Top Layer w7: U201.4@3058.64,37.4 3059.3,38.06 3095,38.06 v1(3095.66,38.72)
  Top Layer w15: v1(3132.57,-400) 3135.44,-402.87 3135.44,-408.28 3182.68,-455.51 LED200.1@3182.68,-457.48
  Top Layer w30: v1(-900,1050) 576.72,1050 v1(600,1073.28) 792.52,1073.28 802.46,1083.22 837.98,1083.22 MD200.42@839.41,1084.65 ; v1(-850,1600) -841,1609 -401.93,1609 -392.93,1600 J1.5@-250,1600 ; v1(600,250) v1(1500,250) ; TP200.1@1400,-20.47 1496.85,-20.47 v1(1500,-17.32) 2158.66,-17.32 2391.34,-250 v1(3050,-250)
  Layer 2 w15: v1(3095.66,38.72) 3095.66,-250 3095.66,-363.09 v1(3132.57,-400)
  Layer 2 w30: v1(-900,1050) -900,1550 v1(-850,1600) ; v1(600,250) 637,287 637,1036.28 v1(600,1073.28) ; v1(1500,-17.32) v1(1500,250) ; v1(3050,-250) 3095.66,-250
XRES_N_R: LED200.2 R200.1 | length 112.7
  Top Layer w15: LED200.2@3100,-457.48 3100,-459.45 3127.56,-487.01 R200.1@3127.56,-558.8
pads on no net: J1.4 MD200.2 MD200.3 MD200.5 MD200.6 MD200.7 MD200.8 MD200.9 MD200.10 MD200.11 MD200.12 MD200.13 MD200.14 MD200.16 MD200.18 MD200.19 MD200.20 MD200.22 MD200.23 MD200.28 MD200.30 MD200.31 MD200.33 MD200.34 MD200.35 MD200.37 MD200.38 MD200.39 MD200.40 MD200.41 P1.1 P3.1 P3.2 SW200.1 SW200.4 SW201.1 SW201.4 U4.5 U4.7 U4.8 U.5

## Polygon pours and split planes (outlines as drawn)
GND on Bottom Layer "GND" (solid, pour order 0): -1900,3950 3900,3950 3900,-875.83 -1900,-875.83
5V on Layer 1 "5_VOLTS" (solid, remove dead copper, pour order 1): -1900,3950 3900,3950 3900,-875.83 3874.17,-850 -1900,-850
3.3V on Layer 2 "3.3_VOLTS" (solid, remove dead copper, pour order 2): -1900,3950 3900,3950 3900,-875.83 -1900,-875.83

## Keep-outs
Keep-Out Layer:
  lines w10: 196.91,3931.99 ccw(c196.85,3937.01) 198.43,3932.25 ccw(c200,3937.01) 200,3931.99 2160.35,3931.99 ccw(c2160.35,3937.01) 2160.45,3931.99 ; 196.85,3937.01 196.85,3937.01 ; 196.85,3937.01 196.85,3937.01 ; 2160.45,3931.99 ccw(c2162.85,3737.66) 2160.42,3931.99 ; 2160.42,3931.99 2160.45,3931.99
  lines w47.24: -1895,-683.83 ccw(c-1705.65,-681.33) -1703.15,-870.68 3660.35,-870.68 3660.15,-870.68 ccw(c3667.65,-676.33) 3862,-683.83 3862,3735.16 ccw(c3667.65,3742.66) 3675.15,3937.01 -1703.15,3937.01 ccw(c-1700.65,3742.66) -1895,3740.16 -1895,-683.83

## Silkscreen, mask and mechanical layers (free items; w line width, h text height)
Mechanical 1:
  the board outline again, w47.24
Mechanical 2:
  lines w10: -1703.15,-870.68 cw(c-1705.65,-681.33) -1895,-683.83 -1895,3740.16 cw(c-1700.65,3742.66) -1703.15,3937.01 3675.15,3937.01 cw(c3667.65,3742.66) 3862,3735.16 3862,-683.83 cw(c3667.65,-676.33) 3660.15,-870.68 ; -1700,-870.68 3660.35,-870.68

## Text inside footprints (layer, text, board x,y; h text height)
P1: Top Overlay "5" at 2170.51,1585.04 h40 r90; Top Overlay "1" at 2170.51,1195.28 h40 r90
P2: Top Overlay "5" at 2420.51,1585.04 h40 r90; Top Overlay "1" at 2420.51,1195.28 h40 r90
P3: Top Overlay "5" at 2620.51,1585.04 h40 r90; Top Overlay "1" at 2620.51,1195.28 h40 r90
P200: Top Overlay "5" at 3333.07,285.04 h40 r90; Top Overlay "1" at 3333.07,-104.72 h40 r90